# Altium PCB PCB_ovladaci_karta.PcbDoc (part 2 of 4) (continued)
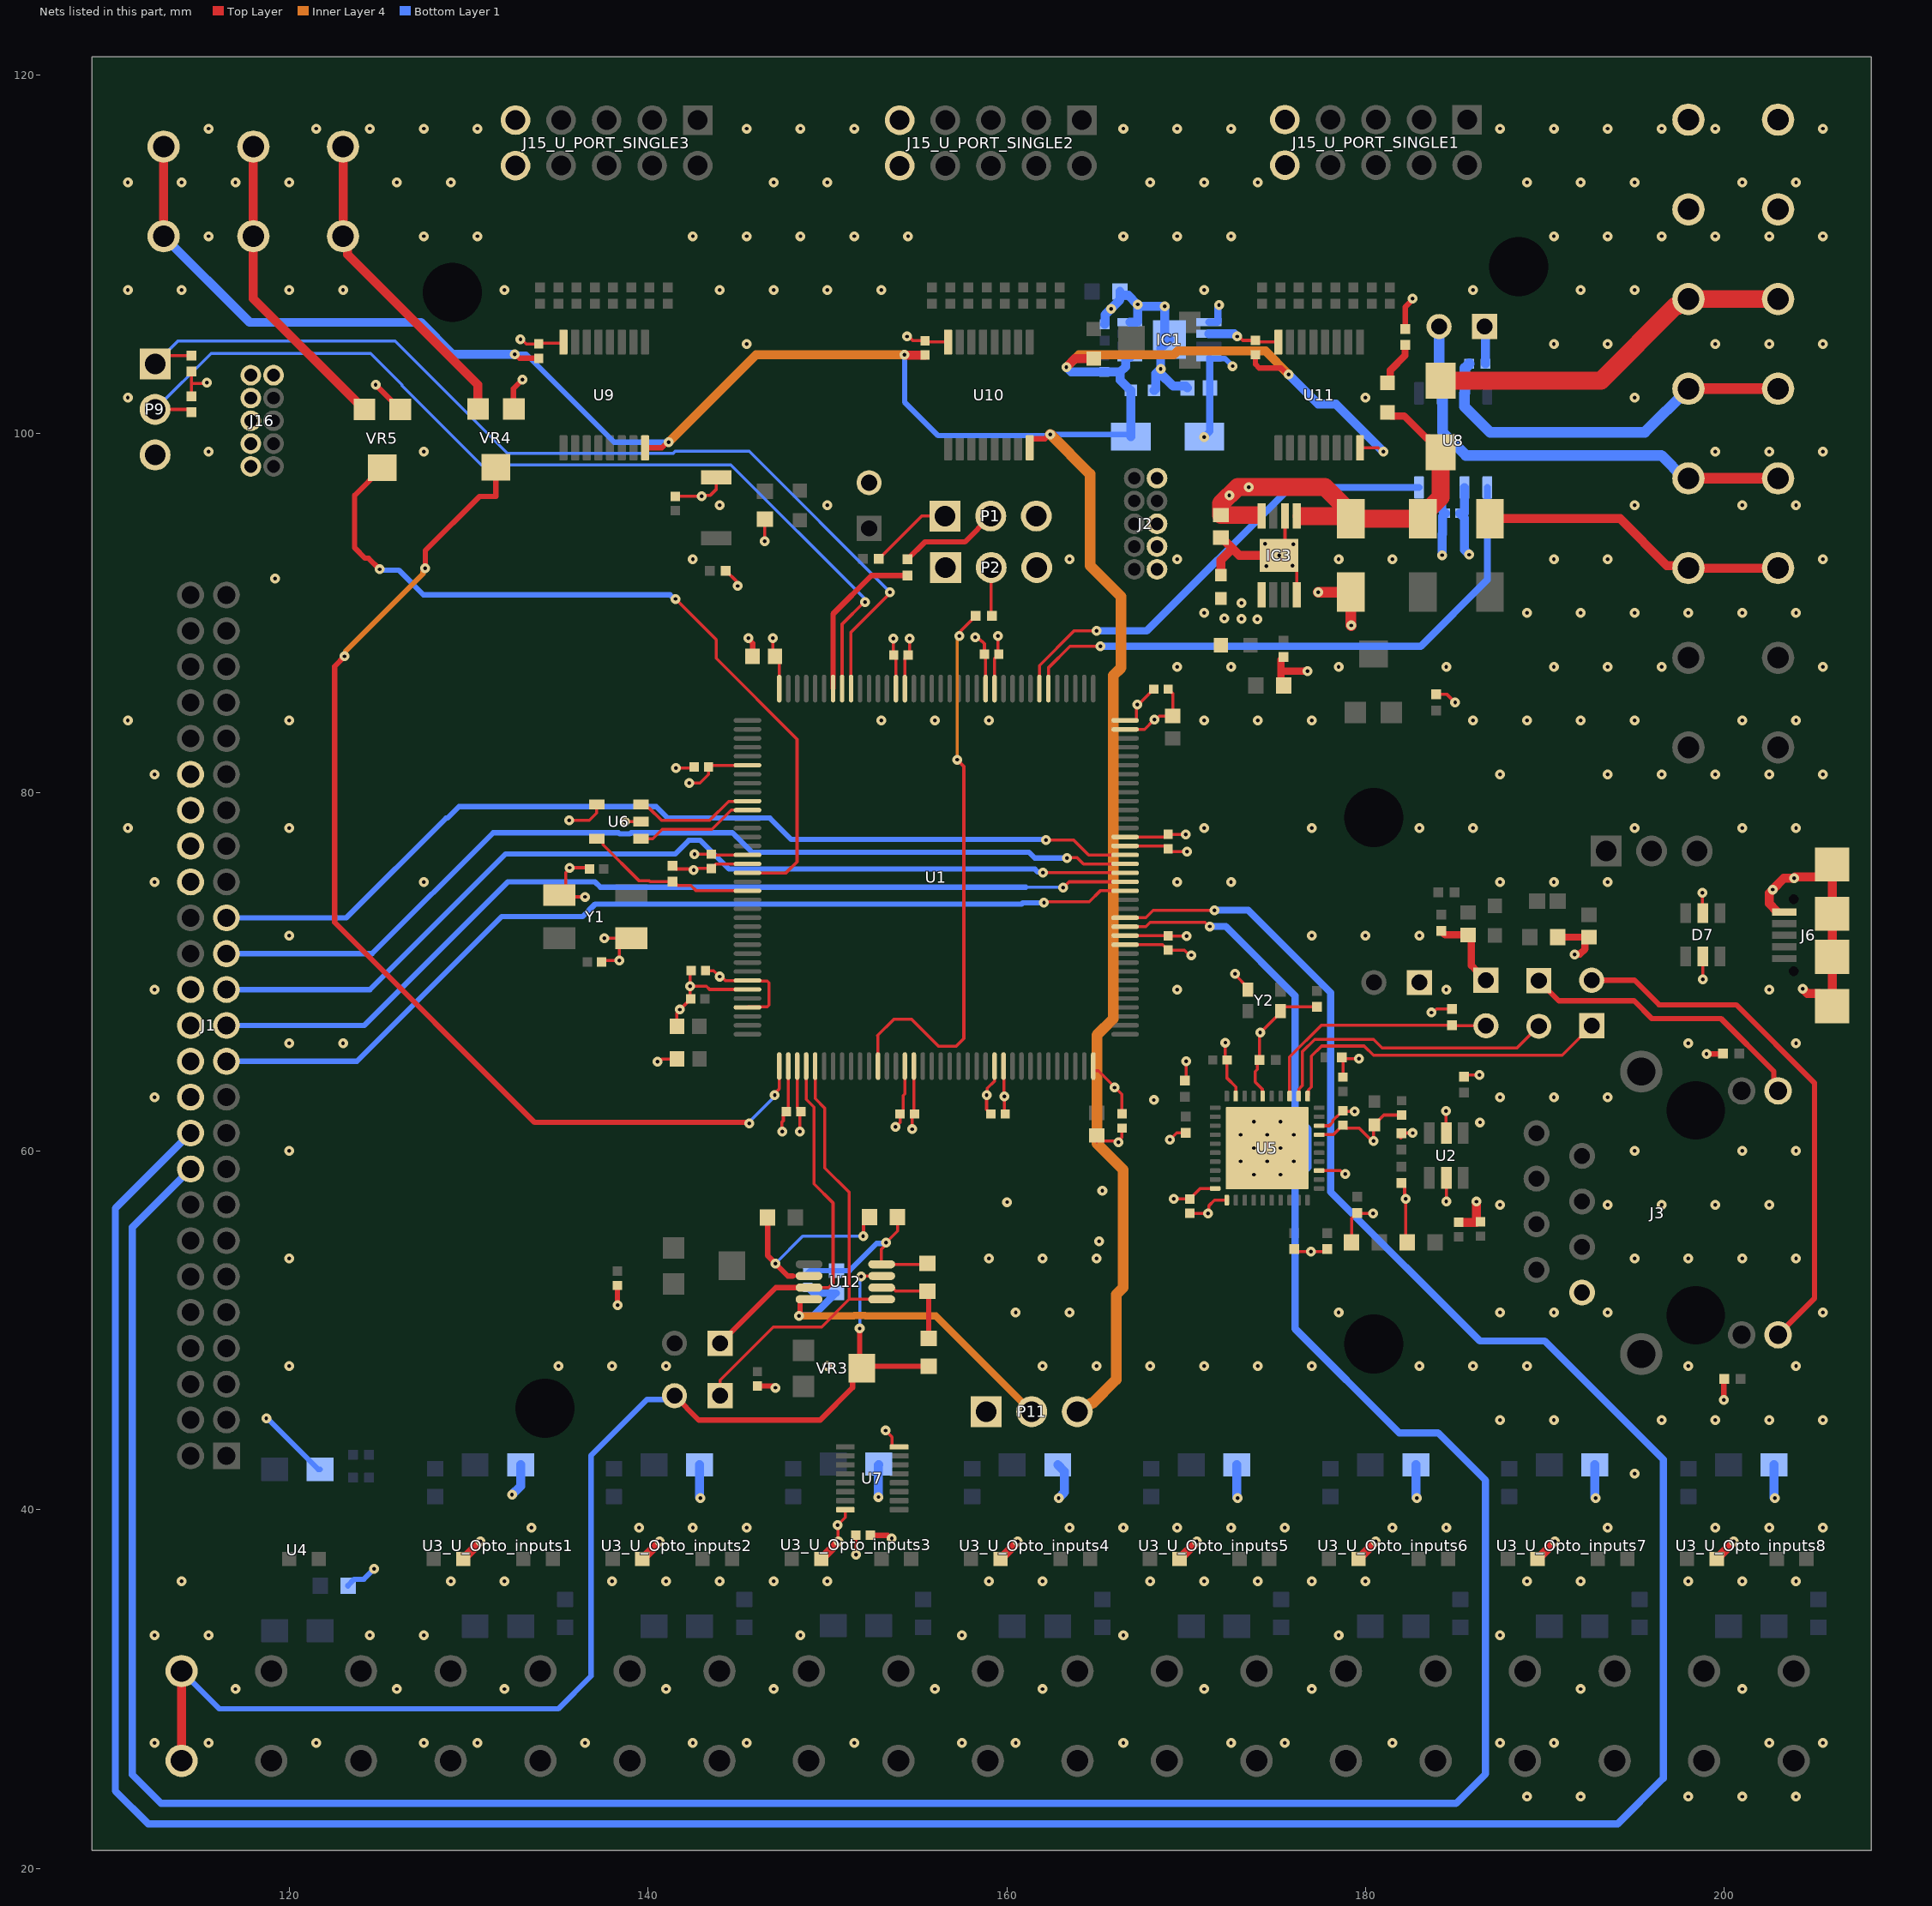
[diagram p6: the nets of this part, all layers, seen from the top]
## Nets (pads, with @x,y where several pads share a name; then routed paths per layer and width w, separated by ;. In a path a pad name is that pad's centre, name@x,y a point inside that pad or via, vN(x,y) a via of type N, cw(c..) or ccw(c..) an arc to the next point about the centre after c; other vN are vias at no path point)
3V3_MCU: C3.1 C4.1 C5.1 C6.1 C7.1 C8.1 C9.1 C10.1 C11.1 C12.1 C13.1 C14.1 C15.1 C18.1 C20.1 C23.2 C29.1 C30.1 D2.2 D12.2 IC3.1 J1.28 J2.1 J16.9 L1.1 P1.1 P2.1 P11.1 R1.1 R4.1 R5.1 R12.1 R18.1 R19.1 R20.1 R21.1 R22.1 R23.1 R27.1 R29.1 R31.1 R32.2 R33.1 R36.1 R42.1 R46.2 R52.2 U1.6 U1.17 U1.30 U1.33 U1.39 U1.52 U1.62 U1.72 U1.84 U1.95 U1.108 U1.121 U1.131 U1.144 U2.5 U3_U_Opto_inputs1.4 U3_U_Opto_inputs2.4 U3_U_Opto_inputs3.4 U3_U_Opto_inputs4.4 U3_U_Opto_inputs5.4 U3_U_Opto_inputs6.4 U3_U_Opto_inputs7.4 U3_U_Opto_inputs8.4 U5.1 U5.18 U5.26 U6.4 U7.16 U8.3 Y2.4 | length 112
  Top Layer w0.17: R36.1@114.554,102.083 114.554,102.743 ; R42.1@114.554,103.454 114.554,102.743 ; v1(115.418,102.845) 115.354,102.781 114.592,102.781 114.554,102.743 ; v1(135.609,78.43) 136.725,78.43 137.135,78.84 137.135,79.289 U6.4@137.154,79.309 ; v1(140.538,64.973) 140.627,64.973 140.78,65.126 L1.1@141.623,65.126 ; R33.1@141.376,75.913 141.566,75.723 142.494,75.723 v1(142.548,75.67) 142.627,75.749 C6.1@143.535,75.749 143.791,76.005 U1.17@145.545,76.005 ; v1(142.291,80.518) 142.9,80.518 143.374,80.992 143.374,81.404 C5.1@143.377,81.407 ; C7.1@143.205,70.053 143.662,70.053 v1(143.993,69.723) 144.082,69.723 144.3,69.505 U1.30@145.545,69.505 145.56,69.49 146.267,69.49 146.278,69.479 146.652,69.479 146.751,69.379 146.751,68.131 146.652,68.031 145.571,68.031 U1.33@145.545,68.005 ; C5.1@143.475,81.505 U1.6@145.545,81.505 ; R4.1@144.341,92.354 144.937,91.759 144.937,91.563 v1(145,91.5) ; v1(146.958,88.597) 146.958,87.704 147.32,87.342 U1.144@147.32,85.78 ; U1.39@148.32,64.73 148.32,62.392 C8.1@148.52,62.192 148.463,62.135 v1(148.463,61.087) ; v1(151.592,37.5) C18.1@151.592,38.581 ; R1.1@152.875,93.015 155.263,95.402 P1.1@156.566,95.402 ; v1(153.246,44.413) 153.609,44.049 153.609,43.565 153.674,43.5 U7.16@154,43.5 ; v1(153.67,88.57) 153.67,87.687 153.82,87.537 U1.131@153.82,85.78 ; v1(154.737,61.214) 154.737,62.013 154.82,62.096 U1.52@154.82,64.73 ; v1(158.239,88.635) 158.342,88.635 158.475,88.502 158.516,88.502 158.616,88.403 158.636,88.403 158.756,88.283 C14.1@158.756,87.706 158.82,87.643 U1.121@158.82,85.78 ; U1.62@159.82,64.73 159.835,64.715 159.835,63.075 v1(159.868,63.043) 159.868,62.109 C11.1@159.912,62.065 ; U1.72@164.82,64.73 164.82,64.516 164.857,64.479 165.1,64.479 166.421,63.158 C12.1@166.421,62.071 ; U1.84@166.595,72.005 168.995,72.005 169.016,71.984 v1(170.028,71.984) ; U1.95@166.595,77.505 168.855,77.505 C9.1@169,77.65 169.002,77.648 v1(169.977,77.648) ; U1.108@166.595,84.005 167.185,84.005 167.222,84.042 167.222,84.825 v1(167.284,84.887) 167.337,84.887 C13.1@168.2,85.75 ; v1(169.088,60.63) 169.469,61.011 169.97,61.011 R27.1@169.977,61.018 ; R31.1@169.926,63.917 170,63.991 v1(170,65) ; C30.1@170.205,56.521 170.212,56.515 v1(171.221,56.515) 171.259,56.553 171.259,56.932 171.583,57.256 U5.1@172.267,57.256 ; U5.26@174.267,63.056 174.244,63.079 174.244,63.45 173.849,63.845 173.849,64.425 173.972,64.548 173.972,64.948 R29.1@174.099,65.075 174.099,66.549 175.25,67.7 175.25,67.813 175.465,68.028 R32.2@177.292,68.028 ; U5.18@177.417,61.406 177.972,61.406 178.182,61.616 178.182,61.705 178.392,61.915 178.412,61.915 178.778,62.281 178.854,62.205 v1(179.4,62.205) ; R52.2@179.223,54.9 179.223,56.244 179.495,56.515 v1(180.416,56.515) ; R19.1@181.966,60.731 182.102,60.868 R19.1@182.102,60.899 ; R20.1@182.009,58.242 R20.1@181.991,58.224 182.181,58.034 182.181,57.481 182.245,57.417 v1(182.245,57.328) 182.245,54.978 R46.2@182.323,54.9 ; R19.1@182.087,60.936 182.15,60.999 v1(182.632,60.999) ; v1(183.667,67.716) 183.757,67.716 183.953,67.912 R18.1@184.81,67.912 ; R12.1@183.936,85.452 184.548,85.452 v1(185,85) ; v1(184.5,57.181) U2.5@184.5,58.55 ; R21.1@185.5,64.15 185.582,64.232 v1(186.356,64.232) ; R5.1@199.905,65.405 R5.1@199.931,65.43 ; R23.1@199.974,47.262 R23.1@200.007,47.295
  Top Layer w0.3: v1(199.009,65.405) R5.1@199.905,65.405 ; v1(199.974,46.126) R23.1@199.974,47.262
  Top Layer w0.6: v1(177.368,91.161) 179.177,91.161 D12.2@179.186,91.152 179.186,89.314 v1(179.2,89.3)
  Bottom Layer 1 w0.5: v1(132.416,40.83) 132.899,41.313 U3_U_Opto_inputs1.4@132.899,42.5 ; U3_U_Opto_inputs2.4@142.88,42.5 142.88,40.689 v1(142.929,40.64) ; v1@152.849,40.689 152.849,42.487 U3_U_Opto_inputs3.4@152.862,42.5 ; U3_U_Opto_inputs4.4@162.844,42.5 163.22,42.123 163.22,40.968 v1(162.893,40.64) ; U3_U_Opto_inputs5.4@172.825,42.5 172.825,40.689 v1(172.874,40.64) ; U3_U_Opto_inputs6.4@182.807,42.5 182.807,40.689 v1(182.856,40.64) ; U3_U_Opto_inputs7.4@192.788,42.5 192.788,40.689 v1(192.837,40.64) ; U3_U_Opto_inputs8.4@202.77,42.5 202.77,40.689 v1(202.819,40.64)
  Bottom Layer 1 w0.508: U8.3@184.252,96.994 184.252,95.764 C20.1@184.461,95.555 184.286,95.38 184.286,94.391 184.277,94.382 v1(184.277,93.218)
  other v1: 152.849,40.704 166.007,63.533 174.127,66.601 173.965,89.637 173.076,89.662 172.136,89.687 173.076,90.551
3V_en: J1.20 U1.86 | length 193.7
  Top Layer w0.17: U1.86@166.595,73.005 167.747,73.005 168.157,73.415 v1(171.586,73.415)
  Bottom Layer 1 w0.4: J1.20@114.5,61 110.303,56.803 110.303,24.317 112.141,22.479 194.056,22.479 196.596,25.019 196.596,42.799 189.992,49.403 186.376,49.403 178.054,57.725 178.054,58.385 178.052,58.387 178.052,59.062 178.054,59.065 178.054,68.834 173.463,73.425 171.596,73.425 v1@171.577,73.406
5V: C21.1 C22.1 C27.1 C39.2 D9.2 D11.2 IC1.1 J19.1 J19.2 P11.3 R43.1 U9.16 U10.16 U11.16 | length 167.8
  Top Layer w0.17: U11.16@179.694,99.202 180.708,99.202 180.911,99 v1(181,99)
  Top Layer w0.3: v1(132.563,104.419) 132.617,104.419 132.839,104.197 C27.1@133.909,104.197 ; U9.16@139.837,99.202 140.765,99.202 141.08,99.517 v1(141.148,99.517) ; U10.16@161.279,99.202 161.279,99.677 161.305,99.703 162.133,99.703 162.379,99.949 v1(162.433,99.949) ; C22.1@173.863,104.394 173.864,103.86 174.066,103.657 175.301,103.657 175.657,103.302 v1(175.717,103.302)
  Top Layer w0.5: J19.1@113,111 J19.2@113,116 ; v1(154.305,104.394) 154.319,104.394 154.338,104.375 C21.1@155.448,104.375 ; v1(163.322,103.708) 163.792,104.179 D11.2@164.846,104.179
  Inner Layer 4 w0.5: v1(141.148,99.517) 146.025,104.395 v1(154.305,104.394) ; v1(163.322,103.708) 164.016,104.402 169.299,104.402 169.35,104.453 169.385,104.453 169.532,104.6 174.419,104.6 v1(175.717,103.302)
  Inner Layer 4 w0.6: v1(162.433,99.949) 164.643,97.739 164.643,92.634 166.37,90.907 166.37,86.944 165.928,86.502 165.928,67.364 165.024,66.46 165.024,60.425 166.496,58.953 166.496,52.383 166.1,51.988 166.1,47.255 164.774,45.928 164.671,45.928 164.209,45.466 P11.3@163.932,45.466
  Bottom Layer 1 w0.3: v1(132.563,104.419) 133.208,104.419 138.11,99.517 v1(141.148,99.517) ; v1(154.305,104.394) 154.305,101.752 156.173,99.884 162.301,99.884 162.365,99.949 v1(162.433,99.949) 166.791,99.949 166.914,99.826 D9.2@166.918,99.822
  Bottom Layer 1 w0.5: J19.1@113,111 117.803,106.197 127.326,106.197 129.104,104.419 v1(132.563,104.419) ; v1(163.322,103.708) 163.594,103.436 R43.1@165.43,103.436 166.326,103.436 ; IC1.1@166.862,104.257 166.649,104.257 166.624,104.232 166.624,103.734 166.326,103.436 ; D9.2@166.914,99.826 C39.2@166.914,102.413 166.889,102.413 166.326,102.975 166.326,103.436 ; v1(175.717,103.302) 177.371,101.648 178.352,101.648 v1(181,99)
5V_comp: D10.1 J10.1 J10.2 | length 17.2
  Top Layer w0.5: D10.1@186.936,95.252 194.181,95.252 196.8,92.633 197.867,92.633 J10.1@198,92.5 J10.2@203,92.5
5V_en: J1.18 U1.85 | length 172.8
  Top Layer w0.17: U1.85@166.595,72.505 167.755,72.505 168,72.75 171.058,72.75 171.291,72.517 v1(171.323,72.517)
  Bottom Layer 1 w0.4: J1.18@114.5,59 111.252,55.752 111.252,25.226 112.856,23.622 185.039,23.622 186.69,25.273 186.69,41.631 184.036,44.285 181.877,44.285 176.073,50.089 176.073,58.36 176.797,59.085 176.797,61.227 176.073,61.952 176.073,68.656 172.212,72.517 v1(171.323,72.517)
ADC_CH_3: U1.37 VR4.2 | length 61.3
  Top Layer w0.17: v1(147.066,63.119) 147.066,63.208 147.32,63.462 U1.37@147.32,64.73
  Top Layer w0.3: v1(123.088,87.579) 122.53,87.02 122.53,72.746 133.68,61.596 145.415,61.596 145.419,61.592 145.596,61.592 v1(145.644,61.544) ; v1(127.584,92.481) 127.584,93.472 130.607,96.495 131.521,96.495 VR4.2@131.521,98.12
  Inner Layer 4 w0.3: v1(123.088,87.579) 123.136,87.627 123.136,87.858 127.459,92.181 127.459,92.289 127.584,92.414 v1(127.584,92.481)
  Bottom Layer 1 w0.17: v1(145.644,61.544) 145.644,61.62 147.066,63.043 v1(147.066,63.119)
ADC_CH_4: U1.18 VR5.2 | length 44.7
  Top Layer w0.17: v1(141.529,90.78) 143.8,88.508 143.8,87.467 148.311,82.956 148.311,76.124 147.692,75.505 U1.18@145.545,75.505
  Top Layer w0.3: v1(125.044,92.431) 124.428,93.047 124.225,93.047 123.647,93.624 123.647,96.556 VR5.2@125.187,98.096
  Bottom Layer 1 w0.3: v1(125.044,92.431) 125.092,92.383 126.108,92.383 127.483,91.008 141.233,91.008 141.461,90.78 v1(141.529,90.78)
ADC_terminal_CH3: J21.1 J21.2 VR4.3 | length 17.7
  Top Layer w0.5: J21.2@123,116 J21.1@123,111 123.249,110.751 123.249,109.992 130.521,102.72 VR4.3@130.521,101.37
ADC_terminal_CH4: J22.1 J22.2 VR5.3 | length 17.2
  Top Layer w0.5: J22.2@118,116 J22.1@118,111 118,107.533 VR5.3@124.187,101.346
BOARD_PWR: C24.1 C28.1 D4.1 D9.1 D12.1 D13.2 D14.1 IC1.5 IC1.8 IC3.5 IC3.8 J1.22 J1.24 J1.26 J15_U_PORT_SINGLE1.9 J15_U_PORT_SINGLE2.9 J15_U_PORT_SINGLE3.9 | length 33.5
  Top Layer w0.4: D13.2@181.229,101.181 181.429,100.981 182.157,100.981 183.376,99.762 183.551,99.762 184.186,99.127 D14.1@184.186,98.952
  Top Layer w1: 173.936,95.454 C24.1@171.936,95.454 171.936,96.092 172.872,97.028 177.735,97.028 178.911,95.852 178.911,95.527 D12.1@179.186,95.252 D4.1@183.186,95.252 183.186,95.577 183.461,95.852 183.596,95.852 184.186,96.442 D14.1@184.186,98.952 ; 176.436,95.402 D12.1@179.036,95.402
  Bottom Layer 1 w0.3: IC1.8@171.323,104.197 IC1.8@171.262,104.257 171.337,104.182 172.17,104.182 v1@172.582,103.77
  Bottom Layer 1 w0.4: D9.1@171.018,99.822 171.323,100.127 C28.1@171.323,102.509 ; IC1.5@171.262,106.207 171.737,106.207 171.762,106.232 171.762,107.067 171.831,107.136 v1(171.831,107.163) ; C28.1@171.323,102.54 IC1.8@171.323,104.197
  other v1: 172.404,96.56 173.5,97 171.012,99.802 172.593,103.759
BOARD_PWR_TERMINAL: D14.2 J4.1 J4.2 | length 20.7
  Top Layer w1: D14.2@184.186,102.952 193.122,102.952 197.27,107.1 197.384,107.1 197.784,107.5 J4.2@203,107.5
BOOT_0: R2.2 U1.138 | length 9.2
  Top Layer w0.3: U1.138@150.32,85.78 150.32,89.944 152.458,92.082 R2.2@154.457,92.082
BOOT_0_RES: P1.2 R2.1 | length 5.7
  Top Layer w0.3: R2.1@154.457,92.982 155.432,93.957 157.66,93.957 P1.2@159.106,95.402
BOOT_1: R3.2 U1.48 | length 31.6
  Top Layer w0.17: U1.48@152.82,64.73 152.82,66.42 152.8,66.44 153.695,67.335 154.697,67.335 156.184,65.848 157.186,65.848 157.607,66.269 157.607,81.439 v1(157.229,81.817) ; v1@157.416,88.981 R3.2@158.275,89.84
  Inner Layer 4 w0.17: v1(157.229,81.817) 157.229,88.508 157.353,88.633 v1(157.353,88.722)
BOOT_1_RES: P2.2 R3.1 | length 2.7
  Top Layer w0.17: P2.2@159.131,92.532 159.131,89.883 R3.1@159.175,89.84
CAN_H: J12.1 J12.2 R10.2 U8.7 | length 21.6
  Top Layer w0.6: J12.1@198,102.5 J12.2@203,102.5
  Bottom Layer 1 w0.6: R10.2@185.783,103.886 185.547,103.65 185.547,102.269 U8.7@185.522,102.244 185.522,101.498 186.944,100.076 195.576,100.076 J12.1@198,102.5
CAN_H_JMPR: P10.1 R10.1 | length 2.1
  Bottom Layer 1 w0.5: P10.1@186.639,105.969 186.683,105.925 R10.1@186.683,103.886
CAN_L: J13.1 J13.2 P10.2 U8.6 | length 25.7
  Top Layer w0.6: J13.1@198,97.5 J13.2@203,97.5
  Bottom Layer 1 w0.6: P10.2@184.099,105.969 184.099,102.696 184.252,102.544 U8.6@184.252,102.244 ; U8.6@184.29,102.206 184.29,100.089 185.598,98.781 196.494,98.781 197.775,97.5 J13.1@198,97.5
CAN_RX: U1.115 U8.4 | length 26.6
  Top Layer w0.17: U1.115@161.82,85.78 161.82,87.068 163.752,89 v1(165,89)
  Bottom Layer 1 w0.4: v1(165,89) 167.801,89 175.795,96.994 U8.4@182.982,96.994
CAN_TX: U1.114 U8.1 | length 32.8
  Top Layer w0.17: U1.114@162.32,85.78 162.32,86.933 163.526,88.139 v1(165.213,88.139)
  Bottom Layer 1 w0.4: v1(165.213,88.139) 183.084,88.139 186.792,91.846 U8.1@186.792,96.994
DAC_BUFFER_OUT_1: R47.1 R48.2 U12.2 | length 11.6
  Top Layer w0.17: 148.067,53.03 U12.2@148.978,53.03 ; v1(151.994,55.245) 152.016,55.267 152.016,55.967 R48.2@152.36,56.312
  Top Layer w0.3: R47.1@146.67,56.286 146.67,54.162 147.802,53.03 148.067,53.03
  Bottom Layer 1 w0.17: v1(147.106,53.726) 148.624,55.245 v1(151.994,55.245)
DAC_BUFFER_OUT_2: R49.1 R50.2 U12.6 | length 5.3
  Top Layer w0.17: U12.6@153.028,52.38 153.629,52.38 153.826,52.182 R50.2@155.575,52.182 R50.2@155.651,52.106
  Top Layer w0.3: R49.1@155.651,49.545 R50.2@155.651,52.106
DAC_BUFFWER_PWR: C41.1 C42.1 P11.2 U12.4 | length 20.9
  Top Layer w0.17: v1(148.412,50.8) v1@148.475,50.863 ; U12.4@148.475,51.601 148.604,51.73 U12.4@148.978,51.73
  Top Layer w0.3: v1@148.475,50.863 U12.4@148.475,51.601
  Inner Layer 4 w0.4: v1(148.412,50.8) 151.469,50.8 151.498,50.829 152.102,50.829 152.131,50.8 156.058,50.8 P11.2@161.392,45.466
  Bottom Layer 1 w0.4: v1(148.412,50.8) 149.193,50.8 C42.1@150.472,52.079 ; C41.1@148.9,52.4 149.221,52.079 C42.1@150.472,52.079 ; C42.1@150.503,52.079 C42.1@150.472,52.079
DAC_OUT_1: P12.1 U1.40 U12.3 | length 20.4
  Top Layer w0.17: U1.40@148.82,64.73 148.82,62.882 149.25,62.451 149.25,58.166 150.317,57.099 150.317,52.629 150.068,52.38 U12.3@148.978,52.38
  Top Layer w0.3: P12.1@144.018,49.276 147.122,52.38 U12.3@148.978,52.38
DAC_OUT_2: P13.1 U1.41 U12.5 | length 25.5
  Top Layer w0.17: P13.1@144.018,46.355 144.018,47.218 146.986,50.186 149.678,50.186 151.222,51.73 ; U1.41@149.32,64.73 149.32,62.924 149.86,62.384 149.86,59.055 151.206,57.709 151.206,51.746 151.222,51.73 ; U12.5@153.028,51.73 151.222,51.73
DAC_terminal: J20.1 J20.2 P13.2 R49.2 U12.7 VR3.2 | length 70.5
  Top Layer w0.17: VR3.2@151.79,48.007 VR3.2@151.918,47.879 VR3.2@152.03,47.991 ; v1(151.878,53.009) 151.888,53.02 153.018,53.02 U12.7@153.028,53.03
  Top Layer w0.3: P13.2@141.478,46.355 142.833,45 149.6,45 151.405,46.805 151.405,47.366 VR3.2@151.918,47.879 ; VR3.2@151.79,48.007 151.8,48.016 v1(151.8,50.1) ; VR3.2@152.03,47.991 R49.2@155.651,47.991
  Top Layer w0.5: J20.2@114,26 J20.1@114,31
  Bottom Layer 1 w0.17: v1(151.8,50.1) 151.817,50.117 151.817,52.948 v1(151.878,53.009)
  Bottom Layer 1 w0.3: J20.1@114,31 116.1,28.9 135,28.9 136.826,30.726 136.826,43.026 139.945,46.145 141.268,46.145 P13.2@141.478,46.355
EEPROM_WP: R33.2 U1.20 U6.5 | length 9.7
  Top Layer w0.17: U6.5@137.154,77.409 137.304,77.409 137.494,77.219 137.494,77.069 139.488,75.075 140.053,75.075 140.114,75.013 R33.2@141.376,75.013 141.566,74.823 141.646,74.823 141.666,74.803 142.392,74.803 142.69,74.505 U1.20@145.545,74.505
ETH_LED_LINK: P6.2 U5.22 | length 16.7
  Top Layer w0.17: U5.22@176.267,63.056 176.283,63.072 176.283,63.456 176.47,63.643 176.47,65.523 177.165,66.218 180.442,66.218 180.924,65.735 188.443,65.735 P6.2@189.662,66.954
ETH_LED_LINK_CONNECT: J3.L4 P6.1 | length 16.4
  Top Layer w0.3: P6.1@189.662,69.494 190.779,68.377 194.97,68.377 195.965,67.382 199.82,67.382 202.765,64.438 202.765,63.585 J3.L4@203,63.35
ETH_LED_SPEED: P5.1 U5.21 | length 19.1
  Top Layer w0.17: U5.21@176.767,63.056 176.807,63.096 176.807,63.396 176.987,63.576 176.987,65.282 177.556,65.851 179.919,65.851 180.441,65.329 190.957,65.329 P5.1@192.608,66.98
ETH_LED_SPEED_CONNECT: J3.L2 P5.2 | length 29.7
  Top Layer w0.3: P5.2@192.608,69.52 194.996,69.52 196.367,68.148 200.66,68.148 205.029,63.779 205.029,51.779 J3.L2@203,49.75
GND: C1.2 C2.1 C3.2 C4.2 C5.2 C6.2 C7.2 C8.2 C9.2 C10.2 C11.2 C12.2 C13.2 C14.2 C15.2 C16.2 C17.2 C18.2 C19.2 C20.2 C21.2 C22.2 C23.1 C24.2 C25.2 C26.2 C27.2 C28.2 C29.2 C30.2 C31.2 C32.2 C33.1 C34.2 C35.2 C36.2 C37.2 C38.2 C39.1 C40.2 C41.2 C42.2 C43.2 D1_U_Opto_inputs1.1 D1_U_Opto_inputs2.1 D1_U_Opto_inputs3.1 D1_U_Opto_inputs4.1 D1_U_Opto_inputs5.1 D1_U_Opto_inputs6.1 D1_U_Opto_inputs7.1 D1_U_Opto_inputs8.1 D7.2 D7.5 IC1.4 IC1.6 IC1.9 IC3.4 IC3.6 IC3.9 J1.34 J1.36 J1.38 J1.40 J2.3 J2.5 J2.9 J3.8 J5.1 J5.2 J6.2 J6.MP1 J6.MP2 J6.MP3 J6.MP4 J14.1 J14.2 J15_U_PORT_SINGLE1.10 J15_U_PORT_SINGLE2.10 J15_U_PORT_SINGLE3.10 J16.2 J16.4 J16.6 J16.8 J16.10 P1.3 P2.3 P3.2 P4.1 P7.1 P9.3 R9.1 R13.1 R14.2 R25.2 R28.2 R30.1 R34.1 R38.2 R41.1 R44.1 R45.2 R48.1 R50.1 R51.1 S1.1 U1.16 U1.31 U1.38 U1.51 U1.61 U1.83 U1.94 U1.107 U1.120 U1.130 U2.2 U4.2 U5.13 U5.17 U5.29 U5.40 U5.41 U6.2 U7.8 U8.2 U9.8 U10.8 U11.8 U12.8 VR4.1 VR5.1 Y1.2 Y1.4 Y2.2 | length 184.7
  Top Layer w0.17: v1(132.893,105.258) 132.957,105.258 133.217,104.997 C27.2@133.909,104.997 ; C27.2@133.858,105.048 135.232,105.048 U9.8@135.287,105.102 ; v1(136.5,74.168) 135.16,74.168 Y1.4@135.065,74.263 135.407,74.606 135.407,75.529 135.636,75.758 v1(135.636,75.794) 135.712,75.717 135.788,75.794 136.658,75.794 C1.2@136.735,75.717 ; C2.1@137.414,70.536 137.49,70.612 v1(138.405,70.612) 138.405,71.348 Y1.2@138.913,71.857 ; v1(137.566,71.857) Y1.2@138.913,71.857 ; v1(138.709,78.359) U6.2@139.604,78.359 ; C19.2@141.515,96.5 v1(143,96.5) 143.063,96.563 143.479,96.563 143.815,96.899 S1.1@143.815,97.56 ; v1(141.554,81.356) 142.526,81.356 C5.2@142.577,81.407 ; C26.2@141.614,66.954 141.614,67.713 C25.2@142.38,68.478 142.342,68.517 v1(142.342,69.19) ; C7.2@142.405,70.053 142.342,69.99 v1(142.342,69.19) ; v1(142.596,76.556) 143.529,76.556 143.58,76.505 U1.16@145.545,76.505 ; U1.31@145.545,69.005 143.434,69.005 143.249,69.19 v1(142.342,69.19) ; v1(146.5,94) 146.5,95.216 R41.1@146.51,95.227 ; v1(147.482,61.089) 147.471,61.1 147.471,61.619 147.545,61.692 147.545,62.017 C8.2@147.72,62.192 ; C8.2@147.82,62.292 U1.38@147.82,64.73 ; v1(150.625,38.227) 150.598,38.254 150.598,39.114 v1(150.571,39.141) 151,39.57 U7.8@151,40 ; v1(153.797,61.341) 154.051,61.595 C4.2@154.051,62.065 154.226,62.24 154.226,63.094 154.32,63.189 U1.51@154.32,64.73 ; R48.1@153.913,56.312 153.913,55.539 v1(153.264,54.889) 153.264,54.787 153,54.523 153,53.708 U12.8@153.028,53.68 155.519,53.68 R50.1@155.575,53.736 ; U1.130@154.32,85.78 154.32,87.474 C15.2@154.502,87.655 154.584,87.738 v1(154.584,88.57) ; v1(154.441,105.41) 154.53,105.41 154.765,105.175 C21.2@155.448,105.175 ; C21.2@155.448,105.102 U10.8@156.729,105.102 ; v1@158.875,63.117 158.875,62.302 C11.2@159.112,62.065 ; v1(158.877,63.119) 158.916,63.158 158.916,63.49 159.314,63.888 159.314,64.724 U1.61@159.32,64.73 ; U1.120@159.32,85.78 159.32,87.47 C14.2@159.556,87.706 159.512,87.751 v1(159.512,88.722) ; C17.2@165.024,60.503 C17.2@165.024,60.868 165.342,60.549 166.056,60.549 166.128,60.477 v1(166.218,60.477) 166.218,60.553 166.421,60.756 C12.2@166.421,61.271 ; U1.83@166.595,71.505 168.695,71.505 169,71.2 169.909,71.2 170.192,70.917 v1(170.282,70.917) ; U1.94@166.595,77.005 168.845,77.005 169.167,76.683 v1(170.053,76.683) ; U1.107@166.595,83.505 167.681,83.505 v1(168.224,84.049) 168.313,84.049 168.517,84.252 C16.2@169.25,84.252 169.25,85.5 C13.2@169,85.75 ; C30.2@170.205,57.321 169.323,57.321 v1(169.316,57.328) 170.212,57.328 170.38,57.496 170.38,57.508 170.779,57.906 U5.40@171.617,57.906 ; C34.2@172.187,65.17 v1(172.187,66.04) ; C34.2@172.282,65.075 172.282,64.057 172.767,63.572 U5.29@172.767,63.056 ; v1(172.72,69.875) 172.72,69.83 173.45,69.1 Y2.2@173.45,69 ; v1(172.847,105.41) 172.936,105.41 173.152,105.194 C22.2@173.863,105.194 173.955,105.102 U11.8@175.144,105.102 ; v1(174.396,93.853) 174.672,93.853 IC3.9@174.741,93.784 ; IC3.9@174.748,93.79 175.261,93.79 175.511,94.04 IC3.6@175.511,95.402 ; v1(175.186,93.202) IC3.9@175.323,93.202 ; IC3.9@175.906,92.619 IC3.9@175.323,93.202 ; v1(175.92,92.634) 176.161,92.393 IC3.4@176.161,91.002 ; v1(175.971,93.828) 175.812,93.828 175.381,93.397 175.381,93.26 IC3.9@175.323,93.202 ; R25.2@176.022,54.523 176.156,54.389 v1(176.962,54.389) 177.742,54.389 R28.2@177.876,54.523 ; U5.13@177.417,58.906 178.596,58.906 178.778,58.725 v1(178.867,58.725) ; U5.17@177.417,60.906 178.203,60.906 C29.2@178.74,61.443 178.915,61.268 179.647,61.268 180.361,60.554 v1(180.442,60.554) 180.442,61.392 C33.1@180.5,61.45 180.5,61.475 181.026,62.001 C36.2@182.016,62.001 ; C35.2@178.74,64.116 R30.1@178.74,65.148 ; R30.1@178.74,65.227 R30.1@178.682,65.227 178.758,65.151 v1(179.629,65.151) ; v1(184.48,62.23) 184.48,60.97 U2.2@184.5,60.95 ; v1(198.78,74.397) 198.78,73.27 D7.2@198.8,73.25 ; D7.5@198.8,70.85 198.806,70.844 v1(198.806,69.571) ; Y1.2@138.913,71.857 139.058,71.857 Y1.2@139.065,71.863 138.92,71.863 Y1.2@138.913,71.857
  Top Layer w0.3: v1(124.816,102.718) VR5.1@126.187,101.346 ; VR4.1@132.521,101.37 132.5,101.391 132.5,102.5 v1(133,103) ; v1(138.3,51.4) C40.2@138.3,52.5 ; v1(145.6,88.6) 145.6,88.539 145.831,88.309 C3.2@145.831,87.579 ; C43.2@146.1,46.9 146.946,46.9 147.046,46.8 v1(147.1,46.8) ; C18.2@152.413,38.56 153.37,38.56 153.523,38.407 v1(153.59,38.407) ; R51.1@182.22,105.835 182.22,107.058 182.626,107.464 v1(182.626,107.518)
  Top Layer w0.4: 175.289,86.76 175.289,87.405 R14.2@175.436,87.552 ; R13.1@175.436,85.952 175.289,86.099 175.289,86.752 175.297,86.76 v1(176.775,86.76) ; R38.2@184.213,72.271 184.438,72.045 185.743,72.045 185.9,71.889 185.9,70.335 186.215,70.02 P4.1@186.715,69.52 ; R34.1@190.713,71.921 C37.2@192.493,71.921 ; v1@191.655,70.957 191.679,70.981 191.956,70.981 192.236,71.261 192.236,71.725 C37.2@192.432,71.921
  Top Layer w0.5: D1_U_Opto_inputs1.1@129.704,37.25 130.662,38.208 v1(130.662,38.227) ; D1_U_Opto_inputs2.1@139.685,37.25 140.643,38.208 v1(140.643,38.227) ; D1_U_Opto_inputs3.1@149.667,37.25 150.625,38.208 v1(150.625,38.227) ; D1_U_Opto_inputs4.1@159.649,37.25 160.607,38.208 v1(160.607,38.227) ; D1_U_Opto_inputs5.1@169.63,37.25 170.588,38.208 v1(170.588,38.227) ; C23.1@171.936,92.102 171.936,92.936 172.584,93.584 ; C24.2@171.936,94.202 171.967,94.202 172.584,93.584 ; v1(175.186,93.202) 172.967,93.202 172.584,93.584 ; D1_U_Opto_inputs6.1@179.612,37.25 180.57,38.208 v1(180.57,38.227) ; C31.2@185.191,56.02 186.172,56.02 186.172,57.166 v1(186.182,57.175) ; D1_U_Opto_inputs7.1@189.593,37.25 190.551,38.208 v1(190.551,38.227) ; D1_U_Opto_inputs8.1@199.575,37.25 200.533,38.208 v1(200.533,38.227) ; J6.2@202.916,73.376 202.5,73.792 202.5,74.369 202.692,74.561 v1(202.692,74.574) 203.327,75.209 v1(203.886,75.209) 203.952,75.276 205.316,75.276 J6.MP4@206.016,75.976 J6.MP1@206.016,68.076 205.316,68.776 204.63,68.776 v1(204.368,69.037)
  Bottom Layer 1 w0.3: v1(118.72,45.085) 118.776,45.085 121.617,42.244 U4.2@121.717,42.244 ; R9.1@123.277,35.75 123.277,35.777 123.621,36.121 124.157,36.121 v1(124.739,36.703) ; C41.2@148.9,53.2 149.031,53.331 151.239,53.331 152.75,54.842 153.216,54.842 v1(153.264,54.889)
  Bottom Layer 1 w0.5: R45.2@165.456,106.089 165.481,106.114 165.481,106.629 166.309,107.457 R44.1@166.309,107.925 ; R44.1@166.488,107.719 166.768,107.719 167.286,107.2 v1(167.3,107.2) 167.29,107.19 167.29,106.232 167.265,106.207 IC1.4@166.862,106.207 ; v1@167.532,107.1 v1(168.8,107.1) 168.8,105.495 IC1.9@169.062,105.232 168.58,104.75 v1(168.58,103.607) ; C39.1@168.214,102.413 168.239,102.413 168.314,102.488 168.314,103.341 v1(168.58,103.607) ; C28.2@170.071,102.54 169.973,102.638 169.272,102.638 168.58,103.33 v1(168.58,103.607) ; IC1.6@171.262,105.557 172.686,105.557 172.833,105.41 v1(172.847,105.41) ; C20.2@185.261,95.555 185.522,95.294 185.522,93.511 185.776,93.257 v1(185.776,93.243) ; 185.522,95.58 U8.2@185.522,96.994
  other v1: 189,24 192,24 198,24 201,24 204,24 112.5,27 115.5,27 121.5,27 127.5,27 130.5,27 136.5,27 142.5,27 145.5,27 151.5,27 157.5,27 160.5,27 166.5,27 172.5,27 175.5,27 181.5,27 187.5,27 190.5,27 202.5,27 205.5,27 117,30 126,30 132,30 141,30 147,30 156,30 162,30 171,30 177,30 192,30 201,30 112.5,33 115.5,33 124.5,33 127.5,33 148.5,33 157.5,33 166.5,33 178.5,33 187.5,33 114,36 129,36 132,36 138,36 141,36 144,36 147,36 150,36 159,36 162,36 168,36 171,36 174,36 177,36 180,36 189,36 192,36 198,36 201,36 204,36 133.5,39 139.5,39 142.5,39 145.5,39 163.5,39 166.5,39 169.5,39 172.5,39 175.5,39 181.5,39 184.5,39 193.5,39 199.5,39 202.5,39 205.5,39 195,42 187.5,45 190.5,45 196.5,45 199.5,45 202.5,45 205.5,45 120,48 135,48 138,48 141,48 150,48 162,48 165,48 168,48 171,48 174,48 177,48 183,48 186,48 189,48 198,48 204,48 160.5,51 163.5,51 178.5,51 187.5,51 190.5,51 193.5,51 205.5,51 120,54 159,54 162,54 165,54 195,54 198,54 201,54 204,54 165.151,54.966 187.5,57 193.5,57 196.5,57 199.5,57 202.5,57 160.02,57.15 165.329,57.785 120,60 195,60 201,60 204,60 186.385,61.595 168.199,62.84 112.5,63 187.5,63 190.5,63 193.5,63 120,66 123,66 198,66 204,66 141.77,67.885 112.5,69 169.5,69 184.5,69 202.5,69 191.65,70.952 120,72 177,72 180,72 183,72 112.5,75 127.5,75 169.5,75 172.5,75 187.5,75 190.5,75 193.5,75 111,78 120,78 171,78 177,78 183,78 186,78 195,78 201,78 204,78 112.5,81 187.5,81 193.5,81 196.5,81 199.5,81 202.5,81 205.5,81 111,84 120,84 153,84 156,84 159,84 171,84 174,84 177,84 186,84 189,84 192,84 195,84 201,84 204,84 169.5,87 172.5,87 178.5,87 184.5,87 190.5,87 193.5,87 196.5,87 205.5,87 171,90 189,90 192,90 195,90 198,90 201,90 204,90 119.202,91.923 174.473,92.608 142.5,93 163.5,93 169.5,93 178.5,93 181.5,93 190.5,93 193.5,93 205.5,93 144,96 150,96 195,96 201,96 204,96 115.5,99 127.5,99 199.5,99 202.5,99 205.5,99 111,102 180,102 195,102 145.5,105 190.5,105 193.5,105 199.5,105 202.5,105 205.5,105 165.811,106.959 111,108 114,108 120,108 123,108 132,108 144,108 147,108 150,108 153,108 171,108 186,108 192,108 195,108 115.5,111 127.5,111 130.5,111 142.5,111 145.5,111 148.5,111 151.5,111 154.5,111 166.5,111 169.5,111 172.5,111 190.5,111 193.5,111 196.5,111 199.5,111 202.5,111 205.5,111 111,114 114,114 117,114 120,114 126,114 129,114 147,114 150,114 168,114 171,114 174,114 189,114 192,114 195,114 201,114 204,114 115.5,117 121.5,117 124.5,117 127.5,117 130.5,117 145.5,117 148.5,117 151.5,117 166.5,117 169.5,117 172.5,117 187.5,117 190.5,117 193.5,117 196.5,117 199.5,117 205.5,117
  other v2: 173.777,58.676 175.257,58.676 173.037,59.416 174.517,59.416 175.997,59.416 173.777,60.156 175.257,60.156 173.037,60.896 174.517,60.896 175.997,60.896 173.777,61.636 175.257,61.636
I2C_EEPROM_SCL: U1.11 U6.1 | length 6.6
  Top Layer w0.17: U6.1@139.604,77.409 140.274,77.409 140.792,77.927 143.561,77.927 144.639,79.005 U1.11@145.545,79.005
I2C_EEPROM_SDA: U1.10 U6.3 | length 6.8
  Top Layer w0.17: U6.3@139.604,79.309 139.794,79.119 140.062,79.119 140.754,78.427 143.438,78.427 144.504,79.494 145.534,79.494 U1.10@145.545,79.505
I2C_SCL: P9.1 R42.2 U1.136 | length 55.9
  Top Layer w0.17: P9.1@112.522,103.886 112.99,104.354 R42.2@114.554,104.354 ; U1.136@151.32,85.78 151.32,88.921 153.492,91.094 v1(153.492,91.161)
  Bottom Layer 1 w0.17: P9.1@112.522,103.886 113.792,105.156 125.908,105.156 132.161,98.903 141.402,98.903 141.508,99.009 145.644,99.009 v1(153.492,91.161)
I2C_SDA: P9.2 R36.2 U1.137 | length 54.2
  Top Layer w0.17: P9.2@112.522,101.346 114.391,101.346 R36.2@114.554,101.183 ; U1.137@150.82,85.78 150.82,89.372 152.05,90.602 v1(152.095,90.602)
  Bottom Layer 1 w0.17: P9.2@112.522,101.346 115.646,104.47 124.536,104.47 126.289,102.718 126.289,102.676 130.713,98.252 144.622,98.252 152.022,90.852 152.022,90.675 v1(152.095,90.602)
LAN_nRST: P4.2 R18.2 U5.23 | length 13.9
  Top Layer w0.17: U5.23@175.767,63.056 175.767,65.24 177.54,67.012 R18.2@184.81,67.012 184.843,66.98 P4.2@186.715,66.98
LED_12V_K: D13.1 R51.2 | length 2.5
  Top Layer w0.4: D13.1@181.229,102.831 181.38,102.982 181.38,103.529 182.203,104.352 182.203,104.918 R51.2@182.22,104.935
MUX_D_1: J1.31 U1.93 | length 53.8
  Top Layer w0.17: v1(162.179,77.343) 163.728,77.343 164.566,76.505 U1.93@166.595,76.505
  Bottom Layer 1 w0.3: J1.31@116.5,73 123.19,73 128.753,78.562 128.817,78.562 129.46,79.206 140.465,79.206 141.108,78.562 146.787,78.562 147.98,77.368 162.154,77.368 v1(162.179,77.343)
MUX_D_2: J1.29 U1.92 | length 53.7
  Top Layer w0.17: v1(163.347,76.327) 163.367,76.347 163.937,76.347 164.279,76.005 U1.92@166.595,76.005
  Bottom Layer 1 w0.3: J1.29@116.5,71 124.619,71 131.367,77.748 138.361,77.748 138.428,77.68 138.991,77.68 139.058,77.748 144.706,77.748 145.796,76.657 161.232,76.657 161.562,76.327 v1(163.347,76.327)
MUX_D_3: J1.27 U1.91 | length 54.3
  Top Layer w0.17: v1(162.027,75.514) 162.031,75.51 166.59,75.51 U1.91@166.595,75.505
  Bottom Layer 1 w0.3: J1.27@116.5,69 124.499,69 132.055,76.556 141.514,76.556 142.279,77.321 142.912,77.321 144.516,75.717 161.569,75.717 161.734,75.552 161.988,75.552 v1(162.027,75.514)
MUX_D_4: J1.25 U1.90 | length 53.7
  Top Layer w0.17: v1(163.144,74.676) 163.473,75.005 U1.90@166.595,75.005
  Bottom Layer 1 w0.17: 161.056,74.701 163.119,74.701 v1(163.144,74.676)
  Bottom Layer 1 w0.3: J1.25@116.5,67 124.175,67 132.182,75.006 137.038,75.006 137.343,74.701 161.056,74.701
MUX_D_5: J1.23 U1.89 | length 54
  Top Layer w0.17: v1(162.077,73.838) 162.128,73.889 162.84,73.889 164.592,73.889 165.208,74.505 U1.89@166.595,74.505
  Bottom Layer 1 w0.3: J1.23@116.5,65 123.777,65 131.848,73.071 136.363,73.071 137.053,73.762 160.818,73.762 160.894,73.838 v1(162.077,73.838)